# Altium PCB Audio_Blade_Mic_Array.PcbDoc (part 2 of 4)
Units mil, origin at the board's own origin, x right, y up, seen from the top; angles counter-clockwise.
Board outline 3740.16 x 3740.16 mil, 6 copper layers (Top Layer, Layer 2, Layer 3, Layer 4, Layer 5, Bottom Layer), stack 63.312 mil thick; 192 components, 134 nets, 726 pads, 1409 vias.
Unrouted connection lines stored in the file: 35.
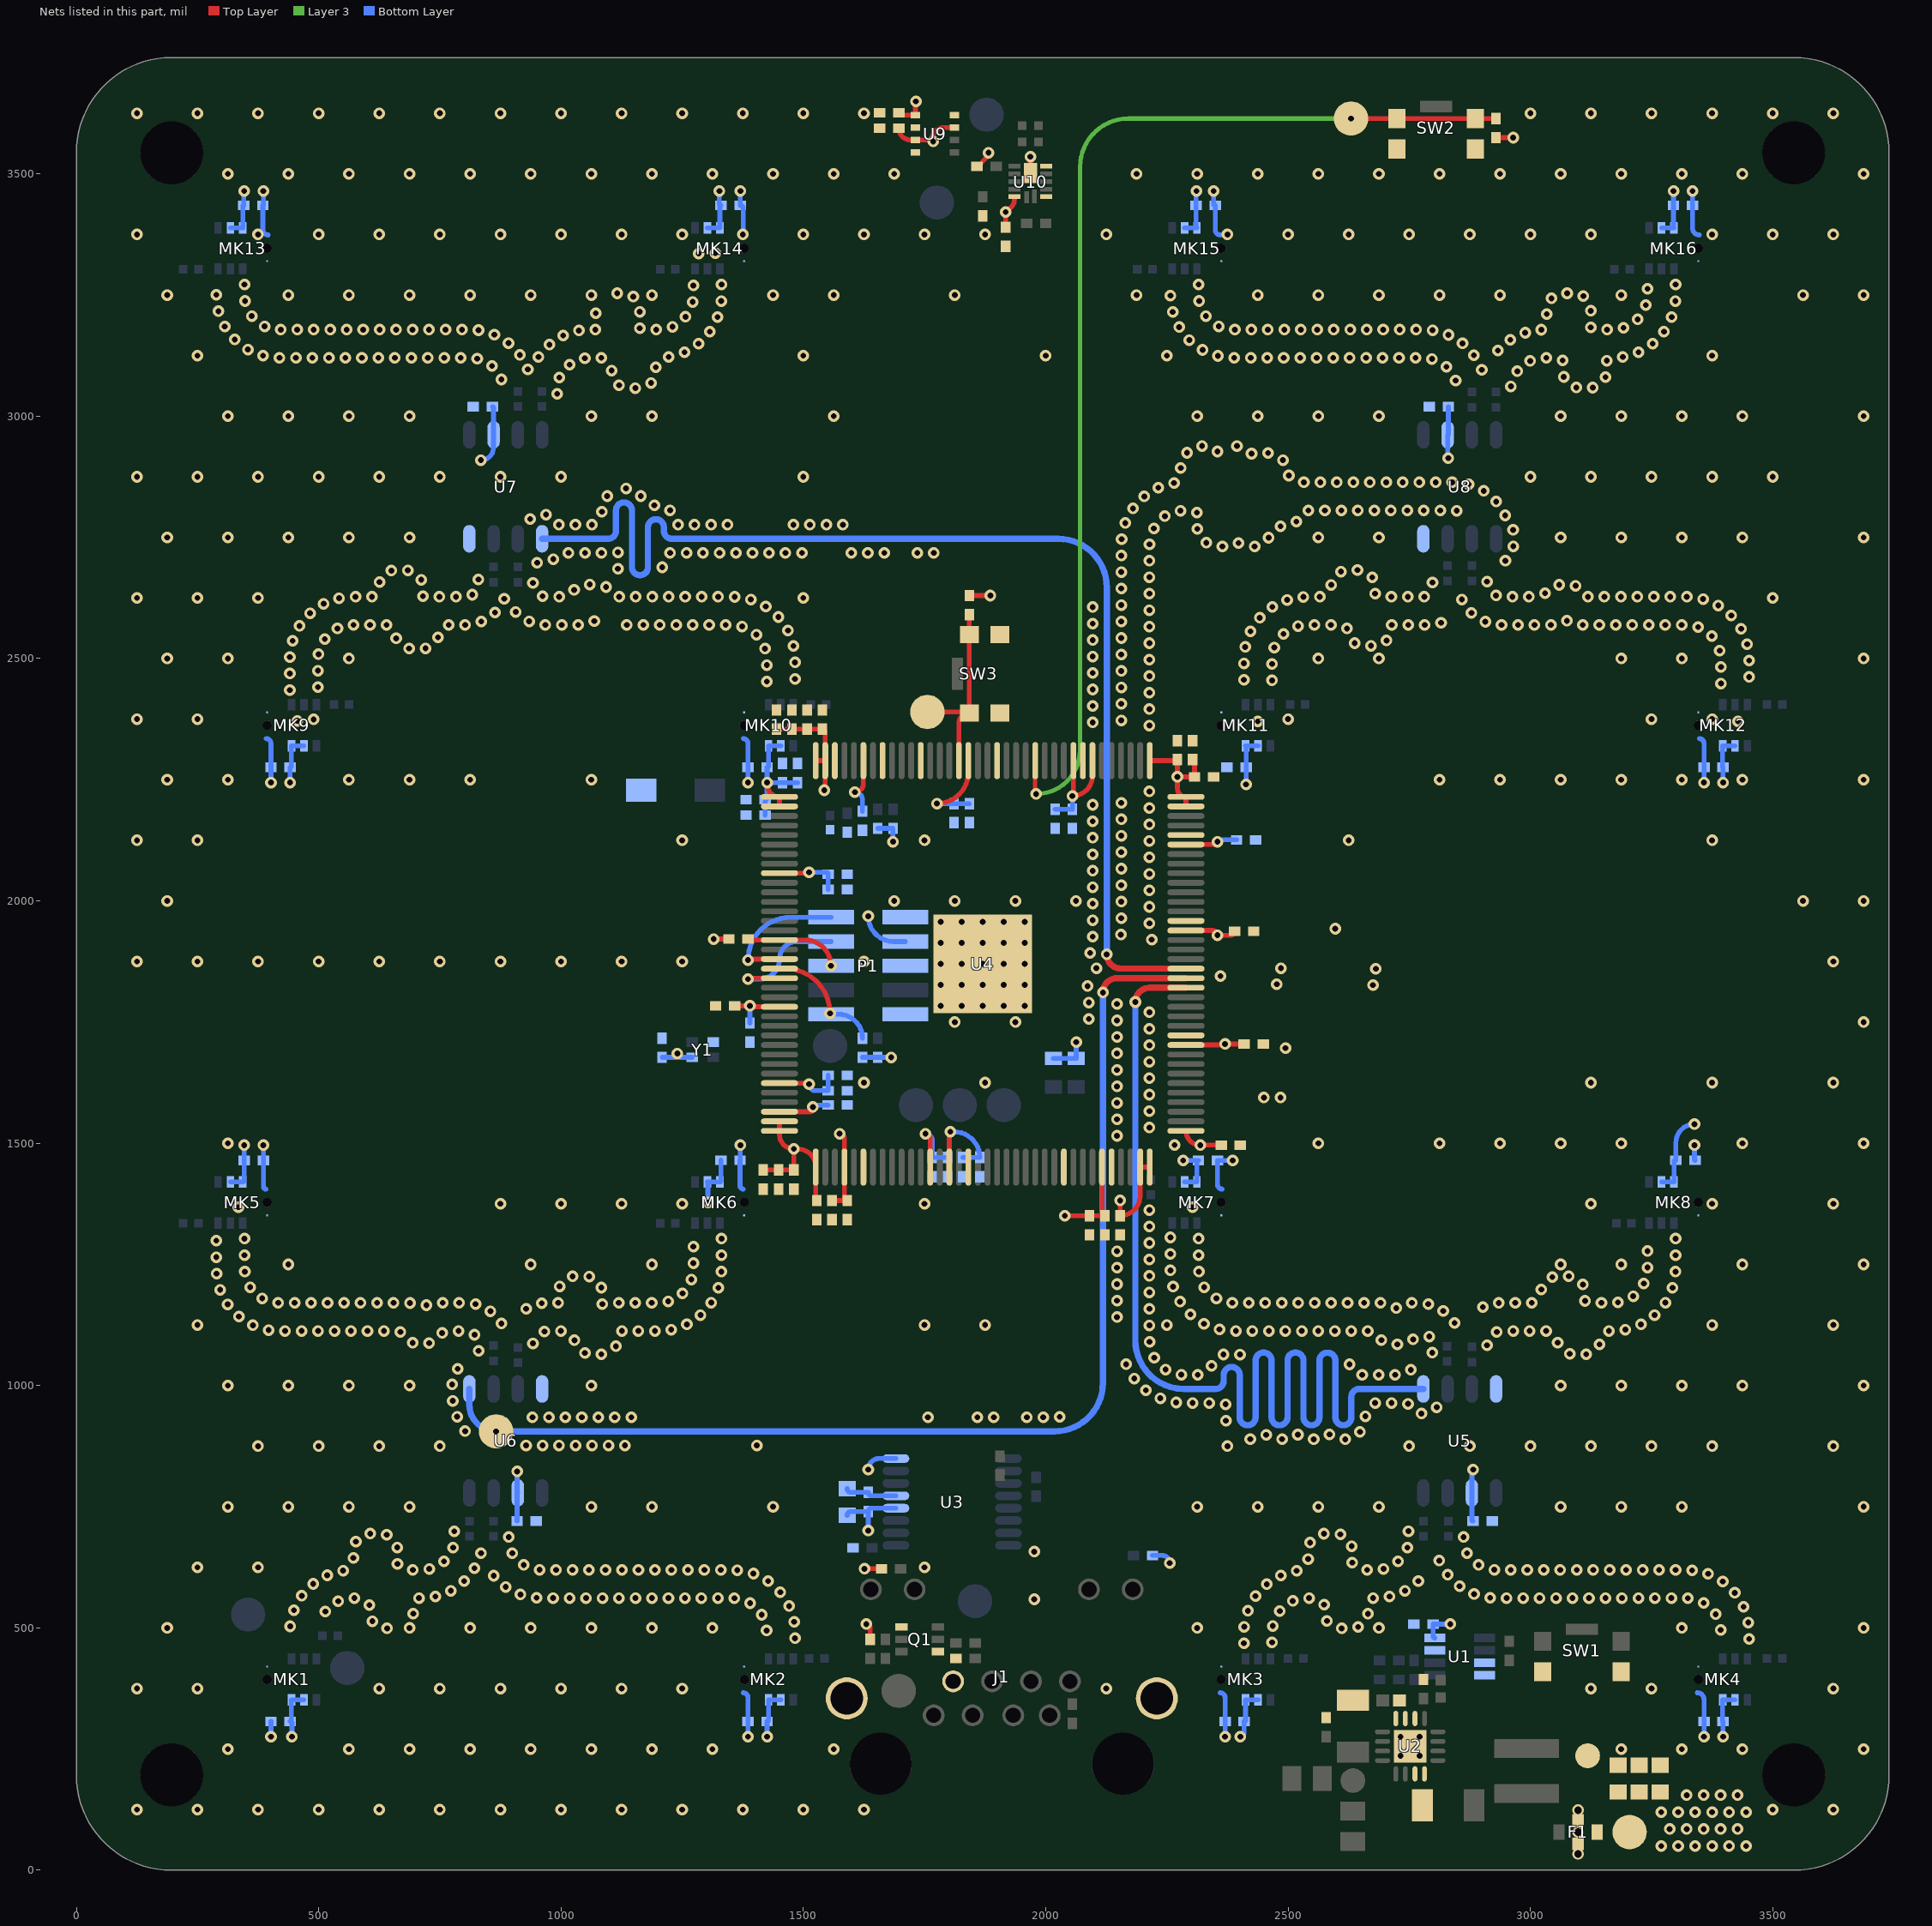
[diagram p6: the nets of this part, all layers, seen from the top]

## Part data (continued)
R22 R23 R24 R25 R26 R30 R31 R32 R33 R34 R35 R36 R37 R38 R39 R40: library part CMP-2002-01146-1, "RES SMD 33 OHM 1% 1/10W 0402", Case Code (Imperial)=0402, Case Code (Metric)=1005, Manufacturer=Panasonic, Manufacturer Part Number=ERJ-2RKF33R0X, Max Operating Temperature=155°C, Max Power Dissipation=100mW, Min Operating Temperature=-55°C, Package Quantity=1, Resistance=33R, Supplier Part Number 1=P33.0LCT-ND, Temperature Coefficient=100ppm/°C, Tolerance=1%, Voltage Rating=50V, Case/Package=0402, Category="Chip SMD Resistors", ComponentLink1Description=https://datasheet.ciiva.com/11821/0900766b80f80784-11821292.pdf?src-supplier=RSComponents, ComponentLink1URL=https://datasheet.ciiva.com/11821/0900766b80f80784-11821292.pdf?src-supplier=RSComponents, ComponentLink2Description=https://datasheet.ciiva.com/43467/1678782-43467173.pdf?src-supplier=Farnell, ComponentLink2URL=https://datasheet.ciiva.com/43467/1678782-43467173.pdf?src-supplier=Farnell, ComponentLink3Description=https://datasheet.ciiva.com/5917/aoa0000ce2-5917817.pdf?src-supplier=Farnell, ComponentLink3URL=https://datasheet.ciiva.com/5917/aoa0000ce2-5917817.pdf?src-supplier=Farnell, ComponentLink4Description=https://datasheet.ciiva.com/16777/70260748-16777705.pdf?src-supplier=Allied+Electronics, ComponentLink4URL=https://datasheet.ciiva.com/16777/70260748-16777705.pdf?src-supplier=Allied+Electronics, ComponentLink5Description=https://datasheet.ciiva.com/46373/1678782-46373081.pdf?src-supplier=Element14, ComponentLink5URL=https://datasheet.ciiva.com/46373/1678782-46373081.pdf?src-supplier=Element14, ComponentLink6Description=https://datasheet.ciiva.com/7836/aoa0000ce2-7836490.pdf?src-supplier=Element14, ComponentLink6URL=https://datasheet.ciiva.com/7836/aoa0000ce2-7836490.pdf?src-supplier=Element14, ComponentLink7Description=https://datasheet.ciiva.com/46373/1678782-46373082.pdf?src-supplier=Element14, ComponentLink7URL=https://datasheet.ciiva.com/46373/1678782-46373082.pdf?src-supplier=Element14, ComponentLink8Description=https://datasheet.ciiva.com/9190/aoa0000ce2-9190507.pdf?src-supplier=Avnet, ComponentLink8URL=https://datasheet.ciiva.com/9190/aoa0000ce2-9190507.pdf?src-supplier=Avnet, ComponentLink9Description=https://datasheet.ciiva.com/17210/aoa0000ce2-17210220.pdf?src-supplier=Avnet+Europe, ComponentLink9URL=https://datasheet.ciiva.com/17210/aoa0000ce2-17210220.pdf?src-supplier=Avnet+Europe, ComponentLink10Description=https://datasheet.ciiva.com/7836/426256-7836813.pdf?src-supplier=Element14, ComponentLink10URL=https://datasheet.ciiva.com/7836/426256-7836813.pdf?src-supplier=Element14, ComponentLink11Description=https://datasheet.ciiva.com/16514/aoa0000ce2-16514334.pdf?src-supplier=Avnet+Asia, ComponentLink11URL=https://datasheet.ciiva.com/16514/aoa0000ce2-16514334.pdf?src-supplier=Avnet+Asia, ComponentLink12Description=https://datasheet.ciiva.com/24023/aoa0000ce2-24023999.pdf?src-supplier=Mouser, ComponentLink12URL=https://datasheet.ciiva.com/24023/aoa0000ce2-24023999.pdf?src-supplier=Mouser, Composition="Thick Film", Contact Plating=Tin, Depth=0.5mm, Features="Automotive AEC-Q200", Height=0.35mm, Lead Free="Lead Free", Length=1mm, Military Standard=Not, Mount="Surface Mount", Number of Pins=2, Number of Terminations=2, Packaging="Tape and Reel", Part Number=ERJ2RKF33R0X, Power Rating=100mW, Pricing 1="1=0.10000, 10=0.05100, 100=0.02070, 1000=0.00928, 2500=0.00806, 5000=0.00665 (USD)", Radiation Hardening=No, REACH SVHC="No SVHC", RoHS=Yes, Stock 1=2287199, Supplier 1=Digi-Key, Termination=SMD/SMT, Voltage Rating (DC)=50V, Width=0.02inch
R41 R42: "RES SMD 4.7K OHM 1% 1/10W 0603", Manufacturer="Panasonic Electronic Components", Operating Temperature="-55°C ~ 155°C", Package / Case="0603 (1608 Metric)", Power (Watts)=100mW, Resistance (Ohms)=4.7k, Supplier Device Package=0603, Supplier Part Number 1=P4.70KHCT-ND, Temperature Coefficient=±100ppm/°C, Tolerance=±1%, Category=Resistors, ComponentLink1Description=http://industrial.panasonic.com/www-cgi/jvcr13pz.cgi?E+PZ+3+AOA0002+ERJ3EKF4701V+7+WW, ComponentLink1URL=http://industrial.panasonic.com/www-cgi/jvcr13pz.cgi?E+PZ+3+AOA0002+ERJ3EKF4701V+7+WW, Composition="Thick Film", Features="Automotive AEC-Q200", Height="0.022\" (0.55mm)", Manufacturer Part Number=ERJ-3EKF4701V, Number of Terminations=2, Packaging="Cut Tape (CT)", Part Status=Active, Pricing 1="1=0.1, 50=0.0114, 100=0.0084, 250=0.00644, 500=0.00514, 1000=0.00379 (USD)", RoHS="RoHS Compliant", Size / Dimension="0.063\" L x 0.031\" W (1.60mm x 0.80mm)", Stock 1=1874817, Supplier 1=Digi-Key
R43: library part CMP-2002-06455-1, "RES SMD 0 OHM JUMPER 1/10W 0402", Case Code (Imperial)=0402, Case Code (Metric)=1005, Manufacturer=Panasonic, Max Operating Temperature=155°C, Max Power Dissipation=100mW, Min Operating Temperature=-55°C, Package Quantity=1, Part Number=ERJ-S020R00X, Resistance=0, Supplier Part Number 1=P0.0JCT-ND, Temperature Coefficient=600ppm/°C, Tolerance=5%, Voltage Rating=50V, Case/Package=0402, Category="Chip SMD Resistors", ComponentLink1Description=https://datasheet.ciiva.com/11821/0900766b80f806dd-11821176.pdf?src-supplier=RSComponents, ComponentLink1URL=https://datasheet.ciiva.com/11821/0900766b80f806dd-11821176.pdf?src-supplier=RSComponents, ComponentLink2Description=https://datasheet.ciiva.com/46389/1678796-46389518.pdf?src-supplier=Element14, ComponentLink2URL=https://datasheet.ciiva.com/46389/1678796-46389518.pdf?src-supplier=Element14, ComponentLink3Description=https://datasheet.ciiva.com/16778/70260739-16778335.pdf?src-supplier=Allied+Electronics, ComponentLink3URL=https://datasheet.ciiva.com/16778/70260739-16778335.pdf?src-supplier=Allied+Electronics, ComponentLink4Description=https://datasheet.ciiva.com/16783/70260739-16783734.pdf?src-supplier=Allied+Electronics, ComponentLink4URL=https://datasheet.ciiva.com/16783/70260739-16783734.pdf?src-supplier=Allied+Electronics, ComponentLink5Description=https://datasheet.ciiva.com/17215/aoa0000ce1-17215386.pdf?src-supplier=Avnet+Europe, ComponentLink5URL=https://datasheet.ciiva.com/17215/aoa0000ce1-17215386.pdf?src-supplier=Avnet+Europe, ComponentLink6Description=https://datasheet.ciiva.com/5959/1678796-5959692.pdf?src-supplier=Farnell, ComponentLink6URL=https://datasheet.ciiva.com/5959/1678796-5959692.pdf?src-supplier=Farnell, ComponentLink7Description=https://datasheet.ciiva.com/48531/aoa0000ce1-48531077.pdf?src-supplier=Avnet, ComponentLink7URL=https://datasheet.ciiva.com/48531/aoa0000ce1-48531077.pdf?src-supplier=Avnet, ComponentLink8Description=https://datasheet.ciiva.com/43460/1678796-43460347.pdf?src-supplier=Farnell, ComponentLink8URL=https://datasheet.ciiva.com/43460/1678796-43460347.pdf?src-supplier=Farnell, ComponentLink9Description=https://datasheet.ciiva.com/30097/4aoa0000ce1-30097116.pdf?src-supplier=Onlinecomponents.com, ComponentLink9URL=https://datasheet.ciiva.com/30097/4aoa0000ce1-30097116.pdf?src-supplier=Onlinecomponents.com, ComponentLink10Description=https://datasheet.ciiva.com/28695/1678796-28695758.pdf?src-supplier=Element14, ComponentLink10URL=https://datasheet.ciiva.com/28695/1678796-28695758.pdf?src-supplier=Element14, Composition="Thick Film", Contact Plating=Tin, Depth=0.5mm, Features="Automotive AEC-Q200", Height=0.35mm, Lead Free="Lead Free", Length=1mm, Manufacturer Part Number=ERJ-2GE0R00X, Military Standard=Not, Mount="Surface Mount", Number of Terminations=2, Packaging="Tape and Reel", Power Rating=100mW, Pricing 1="1=0.10000, 10=0.03000, 25=0.02160, 50=0.01640, 100=0.01210, 250=0.00924, 500=0.00740, 1000=0.00545, 5000=0.00391 (USD)", Radiation Hardening=No, REACH SVHC="No SVHC", RoHS=Yes, Stock 1=18087276, Supplier 1=Digi-Key, Termination=SMD/SMT, Voltage Rating (DC)=50V, Width=0.02inch
R44 R45 R46 R47 R48 R49 R50 R51 R52 R54 R55 R56 R57 R58 R59 R60: library part CMP-2002-00765-1, "RES SMD 20 OHM 1% 1/10W 0402", Case Code (Imperial)=0402, Case Code (Metric)=1005, Manufacturer=Panasonic, Max Operating Temperature=155°C, Max Power Dissipation=100mW, Min Operating Temperature=-55°C, Package Quantity=1, Resistance=20R, Supplier Part Number 1=P20.0LCT-ND, Temperature Coefficient=100ppm/°C, Tolerance=1%, Voltage Rating=50V, Case/Package=0402, Category="Chip SMD Resistors", ComponentLink1Description=https://datasheet.ciiva.com/11821/0900766b80f80784-11821238.pdf?src-supplier=RSComponents, ComponentLink1URL=https://datasheet.ciiva.com/11821/0900766b80f80784-11821238.pdf?src-supplier=RSComponents, ComponentLink2Description=https://datasheet.ciiva.com/28665/1678782-28665382.pdf?src-supplier=Element14, ComponentLink2URL=https://datasheet.ciiva.com/28665/1678782-28665382.pdf?src-supplier=Element14, ComponentLink3Description=https://datasheet.ciiva.com/43460/426256-43460268.pdf?src-supplier=Farnell, ComponentLink3URL=https://datasheet.ciiva.com/43460/426256-43460268.pdf?src-supplier=Farnell, ComponentLink4Description=https://datasheet.ciiva.com/24159/aoa0000ce2-24159789.pdf?src-supplier=Mouser, ComponentLink4URL=https://datasheet.ciiva.com/24159/aoa0000ce2-24159789.pdf?src-supplier=Mouser, ComponentLink5Description=https://datasheet.ciiva.com/16769/70260748-16769269.pdf?src-supplier=Allied+Electronics, ComponentLink5URL=https://datasheet.ciiva.com/16769/70260748-16769269.pdf?src-supplier=Allied+Electronics, ComponentLink6Description=https://datasheet.ciiva.com/16780/70260748-16780614.pdf?src-supplier=Allied+Electronics, ComponentLink6URL=https://datasheet.ciiva.com/16780/70260748-16780614.pdf?src-supplier=Allied+Electronics, ComponentLink7Description=https://datasheet.ciiva.com/46386/426256-46386872.pdf?src-supplier=Element14, ComponentLink7URL=https://datasheet.ciiva.com/46386/426256-46386872.pdf?src-supplier=Element14, Composition="Thick Film", Contact Plating=Tin, Depth=0.5mm, Features="Automotive AEC-Q200", Height=0.35mm, Lead Free="Lead Free", Length=1mm, Manufacturer Part Number=ERJ-2RKF20R0X, Military Standard=Not, Mount="Surface Mount", Number of Terminations=2, Packaging="Tape and Reel", Part Number=ERJ-2RKF20R0X, Power Rating=100mW, Pricing 1="1=0.10000, 10=0.04100, 100=0.01670, 1000=0.00751, 2500=0.00652, 5000=0.00538 (USD)", REACH SVHC="No SVHC", RoHS=Yes, Stock 1=156306, Supplier 1=Digi-Key, Termination=SMD/SMT, Voltage Rating (DC)=50V, Weight=2.8E-05oz, Width=0.02inch
R53: "RES SMD 62K OHM 5% 1/10W 0402", Manufacturer="Panasonic Electronic Components", Operating Temperature="-55°C ~ 155°C", Package / Case="0402 (1005 Metric)", Power (Watts)=100mW, Resistance (Ohms)=62k, Supplier Device Package=0402, Supplier Part Number 1=P62KJCT-ND, Temperature Coefficient=±200ppm/°C, Tolerance=±5%, Category=Resistors, ComponentLink1Description=http://industrial.panasonic.com/www-cgi/jvcr13pz.cgi?E+PZ+3+AOA0001+ERJ2GEJ623X+7+WW, ComponentLink1URL=http://industrial.panasonic.com/www-cgi/jvcr13pz.cgi?E+PZ+3+AOA0001+ERJ2GEJ623X+7+WW, Composition="Thick Film", Failure Rate=-, Features="Automotive AEC-Q200", Height - Seated (Max)="0.016\" (0.40mm)", Manufacturer Part Number=ERJ-2GEJ623X, Number of Terminations=2, Packaging="Cut Tape (CT)", Part Status=Active, Pricing 1="1=0.1, 10=0.017, 25=0.0128, 50=0.0096, 100=0.0071, 250=0.0054, 500=0.00432, 1000=0.00318, 5000=0.00228 (USD)", RoHS="RoHS Compliant", Size / Dimension="0.039\" L x 0.020\" W (1.00mm x 0.50mm)", Stock 1=135575, Supplier 1=Digi-Key
SW1 SW2 SW3: library part SW-SPST-NO_KMR231GLFS, "SWITCH TACTILE SPST-NO 0.05A 32V", Case/Package=SMD/SMT, Contact Current Rating=50mA, Contact Resistance=100mR, Insulation Resistance=1GR, Manufacturer="ITT C&K", Manufacturer Part Number=KMR231GLFS, Max Operating Temperature=85°C, Max Voltage Rating (DC)=32V, Min Operating Temperature=-40°C, Operating Force=3N, Package Quantity=1, Power Rating=1W, Supplier Part Number 1=401-1429-1-ND, Actuator Length=0.5mm, ComponentLink1Description=https://datasheet.ciiva.com/16443/kmr231glfs-16443008.pdf, ComponentLink1URL=https://datasheet.ciiva.com/16443/kmr231glfs-16443008.pdf, ComponentLink2Description=https://datasheet.ciiva.com/16155/kmr231glfs-ckcomponents-16155429.pdf, ComponentLink2URL=https://datasheet.ciiva.com/16155/kmr231glfs-ckcomponents-16155429.pdf, ComponentLink3Description=https://datasheet.ciiva.com/29903/getdatasheetpartid-763492-29903765.pdf, ComponentLink3URL=https://datasheet.ciiva.com/29903/getdatasheetpartid-763492-29903765.pdf, ComponentLink4Description=https://datasheet.ciiva.com/2900/kmr2-9aug12-2900231.pdf, ComponentLink4URL=https://datasheet.ciiva.com/2900/kmr2-9aug12-2900231.pdf, ComponentLink5Description=https://datasheet.ciiva.com/2900/kmr2-9aug12-2900232.pdf, ComponentLink5URL=https://datasheet.ciiva.com/2900/kmr2-9aug12-2900232.pdf, ComponentLink6Description=https://datasheet.ciiva.com/2900/kmr2-9aug12-2900233.pdf, ComponentLink6URL=https://datasheet.ciiva.com/2900/kmr2-9aug12-2900233.pdf, ComponentLink7Description=https://datasheet.ciiva.com/16692/kmr2-9aug12-16692969.pdf, ComponentLink7URL=https://datasheet.ciiva.com/16692/kmr2-9aug12-16692969.pdf, ComponentLink8Description=https://datasheet.ciiva.com/7986/1792623-7986954.pdf, ComponentLink8URL=https://datasheet.ciiva.com/7986/1792623-7986954.pdf, ComponentLink9Description=https://datasheet.ciiva.com/26827/kmr2-9aug12-26827228.pdf, ComponentLink9URL=https://datasheet.ciiva.com/26827/kmr2-9aug12-26827228.pdf, Contact Material=Silver, Contact Plating=Silver, Current Rating=50mA, Depth=4.6mm, Illumination Type=Non-Illuminated,Illuminated, Lead Free="Lead Free", Length=2.8mm, Max Current Rating=50mA, Mechanical Life=150000Cycles, Mount="Surface Mount", Orientation=Straight, Packaging="Tape and Reel", Pricing 1="1=0.57, 10=0.553, 25=0.5428, 50=0.5222, 100=0.4506, 250=0.4096, 500=0.38912, 1000=0.3072 (USD)", Radiation Hardening=No, REACH SVHC="No SVHC", Stock 1=33091, Supplier 1=Digi-Key, Switch Function=Off-Mom, Switch Travel=0.25mm, Termination="Gull Wing", Throw Configuration=SPST, Voltage Rating (DC)=32V, Width=4.6mm
TP1 TP2 TP3 TP4 TP5 TP6 TP7 TP8 TP9 TP10 TP11 TP12 TP13 TP14 TP15 TP16: library part Testpoint_SMT, "Testpoint, 1-Pin, SMT", System=Connector
U1: "IC CURRENT MONITOR 1% SOT23-8", Case/Package=SOT-23-8, Input Offset Voltage (Vos)=100uV, Manufacturer="Texas Instruments", Max Input Voltage=26V, Max Operating Temperature=125°C, Max Supply Current=5mA, Max Supply Voltage=5.5V, Min Input Voltage=0uV, Min Operating Temperature=-40°C, Min Supply Voltage=3V, Nominal Supply Current=700uA, Operating Supply Current=1mA, Output Current=10mA, Package Quantity=3000, Supplier Part Number 1=296-23770-1-ND, Accuracy=1%, Bandwidth=3.4MHz, Common Mode Rejection Ratio=100dB, ComponentLink1Description=Datasheet, ComponentLink1URL=https://datasheet.ciiva.com/1492/ina219-1492467.pdf, Contact Plating=Gold, Features=I²C, Height=1.3mm, Lead Free="Lead Free", Length=3mm, Manufacturer Part Number=INA219AIDCNR, Number of Amplifiers=1, Number of Pins=8, Output Current per Channel=10mA, Output Type=Digital, Packaging="Tape and Reel", Pricing 1="1=2.14, 10=1.922, 100=1.5445, 500=1.26896, 1000=1.05142 (USD)", Quiescent Current=700uA, Radiation Hardening=No, REACH SVHC="No SVHC", Stock 1=17294, Supplier 1=Digi-Key, Weight=0.001411oz, Width=1.75mm
U2: "TEXAS INSTRUMENTS         TPS62150ARGTT            DC-DC Switching Buck Step Down Regulator, Adjustable, 3V-17Vin, 900mV-6Vout, 1Aout, QFN-16", Case/Package=QFN, Manufacturer="Texas Instruments", Max Input Voltage=17V, Max Operating Temperature=125°C, Max Output Current=1A, Max Output Voltage=6V, Min Input Voltage=3V, Min Operating Temperature=-40°C, Min Output Voltage=900mV, Package Quantity=1, Quiescent Current=17uA, Supplier Part Number 1=296-36472-1-ND, Switching Frequency=2.5MHz, Category="Voltage Regulators - Switching", ComponentLink1Description=https://datasheet.ciiva.com/22748/1751885-22748323.pdf?src-supplier=Element14, ComponentLink1URL=https://datasheet.ciiva.com/22748/1751885-22748323.pdf?src-supplier=Element14, ComponentLink2Description=https://datasheet.ciiva.com/29885/tps62150a-29885704.pdf?src-supplier=Avnet, ComponentLink2URL=https://datasheet.ciiva.com/29885/tps62150a-29885704.pdf?src-supplier=Avnet, ComponentLink3Description=https://datasheet.ciiva.com/18552/tps62150a-18552774.pdf?src-supplier=Digi-Key, ComponentLink3URL=https://datasheet.ciiva.com/18552/tps62150a-18552774.pdf?src-supplier=Digi-Key, Contact Plating=Gold, Height=0.95mm, Lead Free="Lead Free", Length=3.15mm, Manufacturer Part Number=TPS62150ARGTT, Min Supply Voltage=3V, Mount="Surface Mount", Number of Outputs=1, Number of Pins=16, Operating Supply Voltage=17V, Output Configuration=Positive, Output Current=1A, Output Type=Adjustable,Fixed, Output Voltage=6V, Packaging="Tape and Reel", Pricing 1="1=2.15000, 10=1.93200, 25=1.82320, 100=1.45850 (USD)", Radiation Hardening=No, REACH SVHC="No SVHC", RoHS=Yes, Stock 1=1026, Supplier 1=Digi-Key, Synchronous Rectifier=Yes, Width=3.15mm
U3: "IC LVDS DUAL DIF DVR/RCV 16TSSOP", Case/Package=TSSOP, Manufacturer="Texas Instruments", Max Input Current=20uA, Max Operating Temperature=85°C, Max Output Voltage=450mV, Max Power Dissipation=774mW, Max Supply Voltage=3.6V, Min Operating Temperature=-40°C, Min Supply Voltage=3V, Nominal Supply Current=35mA, Operating Supply Voltage=3.3V, Package Quantity=1, Supplier Part Number 1=296-26358-1-ND, Category="Interface ICs", ComponentLink1Description=https://datasheet.ciiva.com/1703/sn65lvds049-1703872.pdf?src-supplier=Digi-Key, ComponentLink1URL=https://datasheet.ciiva.com/1703/sn65lvds049-1703872.pdf?src-supplier=Digi-Key, ComponentLink2Description=https://datasheet.ciiva.com/15133/getdatasheetpartid-298932-15133393.pdf?src-supplier=Verical, ComponentLink2URL=https://datasheet.ciiva.com/15133/getdatasheetpartid-298932-15133393.pdf?src-supplier=Verical, ComponentLink3Description=https://datasheet.ciiva.com/26828/sn65lvds049pwr-26828740.pdf?src-supplier=IIIC, ComponentLink3URL=https://datasheet.ciiva.com/26828/sn65lvds049pwr-26828740.pdf?src-supplier=IIIC, ComponentLink4Description=https://datasheet.ciiva.com/1703/sn65lvds049-1703873.pdf?src-supplier=Digi-Key, ComponentLink4URL=https://datasheet.ciiva.com/1703/sn65lvds049-1703873.pdf?src-supplier=Digi-Key, ComponentLink5Description=https://datasheet.ciiva.com/3152/sn65lvds049-3152685.pdf?src-supplier=Avnet, ComponentLink5URL=https://datasheet.ciiva.com/3152/sn65lvds049-3152685.pdf?src-supplier=Avnet, Contact Plating=Gold, Data Rate=400Mbps, Lead Free="Lead Free", Logic Function=Transceiver,Receiver, Manufacturer Part Number=SN65LVDS049PWR, Number of Drivers=2, Number of Elements=2, Number of Pins=16, Number of Receivers=2, Packaging="Tape and Reel", Power Dissipation=774mW, Pricing 1="1=2.54000, 10=2.28200, 25=2.15280, 100=1.72220, 250=1.50688, 500=1.46384, 1000=1.16246 (USD)", Propagation Delay=3.5ns, Radiation Hardening=No, REACH SVHC="No SVHC", RoHS=Yes, Stock 1=4055, Supplier 1=Digi-Key, Turn-On Delay Time=3.5ns, Weight=0.002116oz
U4: "MAX 10 Family FPGA, 1.15 to 1.25 V Supply, 101 GPIO Pins, 8 K Logic Elements, 144-Pin EQFP, Speed Grade 8, Commercial Grade, RoHS Compliant, Engineering Sample", Manufacturer=Altera, Package Description="144-Pin Plastic Enhanced Quad Flat Package, Body 20 x 20 mm, Pitch 0.5 mm", Package Reference=EQFP144_A165_D2-500, Package Version="Rev. 2.0, 03/2015", Datasheet URL=http://www.altera.com/literature/hb/max-10/m10_datasheet.pdf, Datasheet Version=Jan-16, Manufacturer URL=https://www.altera.com/, Package URL=https://www.altera.com/content/dam/altera-www/global/en_US/pdfs/literature/packaging/04r00476-01.pdf
U5 U6 U7 U8: "IC CLK BUFFER 1:5 134MHZ 8SOP", Case/Package=SOIC, Manufacturer=Microchip, Max Frequency=134MHz, Max Operating Temperature=70°C, Min Operating Temperature=0°C, Package Quantity=2500, Supplier Part Number 1=998-PL123-05NSC-R, Category="Clock Buffers, Drivers", ComponentLink1Description=http://www.mouser.com/ds/2/268/PL123-05-09-776315.pdf?src-supplier=Mouser, ComponentLink1URL=http://www.mouser.com/ds/2/268/PL123-05-09-776315.pdf?src-supplier=Mouser, ComponentLink2Description=http://www.microchip.com/mymicrochip/filehandler.aspx?ddocname=en580946&src-supplier=Digi-Key, ComponentLink2URL=http://www.microchip.com/mymicrochip/filehandler.aspx?ddocname=en580946&src-supplier=Digi-Key, ComponentLink3Description=http://components.arrow.com/part/dataview/56280635S415869N1374?src-supplier=Arrow, ComponentLink3URL=http://components.arrow.com/part/dataview/56280635S415869N1374?src-supplier=Arrow, Input=CMOS, Lead Free="Lead Free", Manufacturer Part Number=PL123-05NSC-R, Mount="Surface Mount", Number of Circuits=1, Number of Pins=8, Packaging="Tape and Reel", Pricing 1="1=0.79000, 10=0.79000, 25=0.66000, 100=0.60000, 250=0.60000, 500=0.60000 (USD)", RoHS=Yes, Stock 1=3, Supplier 1=Mouser
U9: library part CMP-2000-05073-1, "Combined Humidity and Pressure Sensor, 1.71 to 3.6 V, -40 to 85 degC, 8-Pin SMD, RoHS, Tape and Reel", Manufacturer="Bosch Sensortec", Datasheet URL=http://datasheet.octopart.com/BME280-Bosch-datasheet-58577763.pdf, Datasheet Version="Rev. 1.2, 10/2015", Manufacturer URL=http://www.bosch-sensortec.com
U10: library part NCP5623BMUTBG, "LED Driver IC 3 Output DC DC Regulator Switched Capacitor (Charge Pump) 30mA 12-LLGA (2x2)", Frequency=1.2MHz, High Level Output Current=90mA, Manufacturer="ON Semiconductor", Max Input Voltage=5.5V, Max Operating Temperature=85°C, Max Power Dissipation=200mW, Max Supply Current=1mA, Min Input Voltage=2.7V, Min Operating Temperature=-40°C, Output Voltage=5.7V, Package Quantity=3000, Switching Frequency=1MHz, ComponentLink1Description=http://uk.rs-online.com/webdocs/1270/0900766b812703f5.pdf, ComponentLink1URL=http://uk.rs-online.com/webdocs/1270/0900766b812703f5.pdf, ComponentLink2Description=http://www.onsemi.com/pub/Collateral/NCP5623B-D.PDF, ComponentLink2URL=http://www.onsemi.com/pub/Collateral/NCP5623B-D.PDF, ComponentLink3Description=http://www.onsemi.jp/pub/Collateral/NCP5623B-D.PDF, ComponentLink3URL=http://www.onsemi.jp/pub/Collateral/NCP5623B-D.PDF, ComponentLink4Description=http://www.mouser.com/ds/2/308/NCP5623B-D-60674.pdf, ComponentLink4URL=http://www.mouser.com/ds/2/308/NCP5623B-D-60674.pdf, ComponentLink5Description=http://www.onsemi.ru.com/pub_link/Collateral/NCP5623B-D.PDF, ComponentLink5URL=http://www.onsemi.ru.com/pub_link/Collateral/NCP5623B-D.PDF, Contact Plating=Gold, Halogen Free="Halogen Free", Height=0.55mm, Lead Free="Lead Free", Length=2mm, Manufacturer Part Number=NCP5623BMUTBG, Max Supply Voltage=5.5V, Min Supply Voltage=2.7V, Mount="Surface Mount", Number of Outputs=3, Number of Pins=12, Number of Segments=3, Output Current=90mA, Packaging="Tape and Reel", Power Dissipation=200mW, Radiation Hardening=No, REACH SVHC="No SVHC", Topology="Charge Pump", Width=2mm
Y1: library part CMP-0461-00001-3, "Crystal Clock Oscillator, 50 MHz, -20 to 70 degC, 1.6 x 1.2 x 0.7 mm SMD", Frequency(MHz)=50, Manufacturer=Abracon, Operating Temperature="-20 to 70 degC", Overall Frequency Stability="+/-30 ppm", Supply Current (Idd)
into 15pF Load="6 mA", Supply Voltage (Vdd)="3.3 V", Aging="-3 to 3 3 ppm", ComponentLink1Description="Manufacturer URL", ComponentLink1URL=http://www.abracon.com, ComponentLink2Description=Datasheet, ComponentLink2URL=http://www.abracon.com/Oscillators/ASCO.pdf, ComponentLink3Description="Package Specification", ComponentLink3URL=http://www.abracon.com/Oscillators/ASCO.pdf, DatasheetVersion=01.25.13, Mounting Technology="Surface Mount", Output Load="15 pF", PackageDescription="4-Pin Hand Drawn, Body 1.6 x 1.2 mm", PackageReference=ASCO-50.000MHZ-EK-T3-4, Packing="Tape and Reel", PartNumber=ASCO-50.000MHZ-EK-T3

## Free pads (board coordinates)
  round 129.92 hole 129.92 unplated mask+1.97: MNT(196.85,196.85) MNT(196.85,3543.31) MNT(3543.31,196.85) MNT(3543.31,3543.31)

## Via types
v1: diameter 24, hole 12, Top Layer to Bottom Layer, tented both sides, 1405 vias
v2: diameter 23.62, hole 15.75, Top Layer to Bottom Layer, tented both sides, 3 vias
v3: diameter 24, hole 12, Top Layer to Bottom Layer, 1 vias
